# KiCad board VCU_CM5.kicad_pcb (continued)
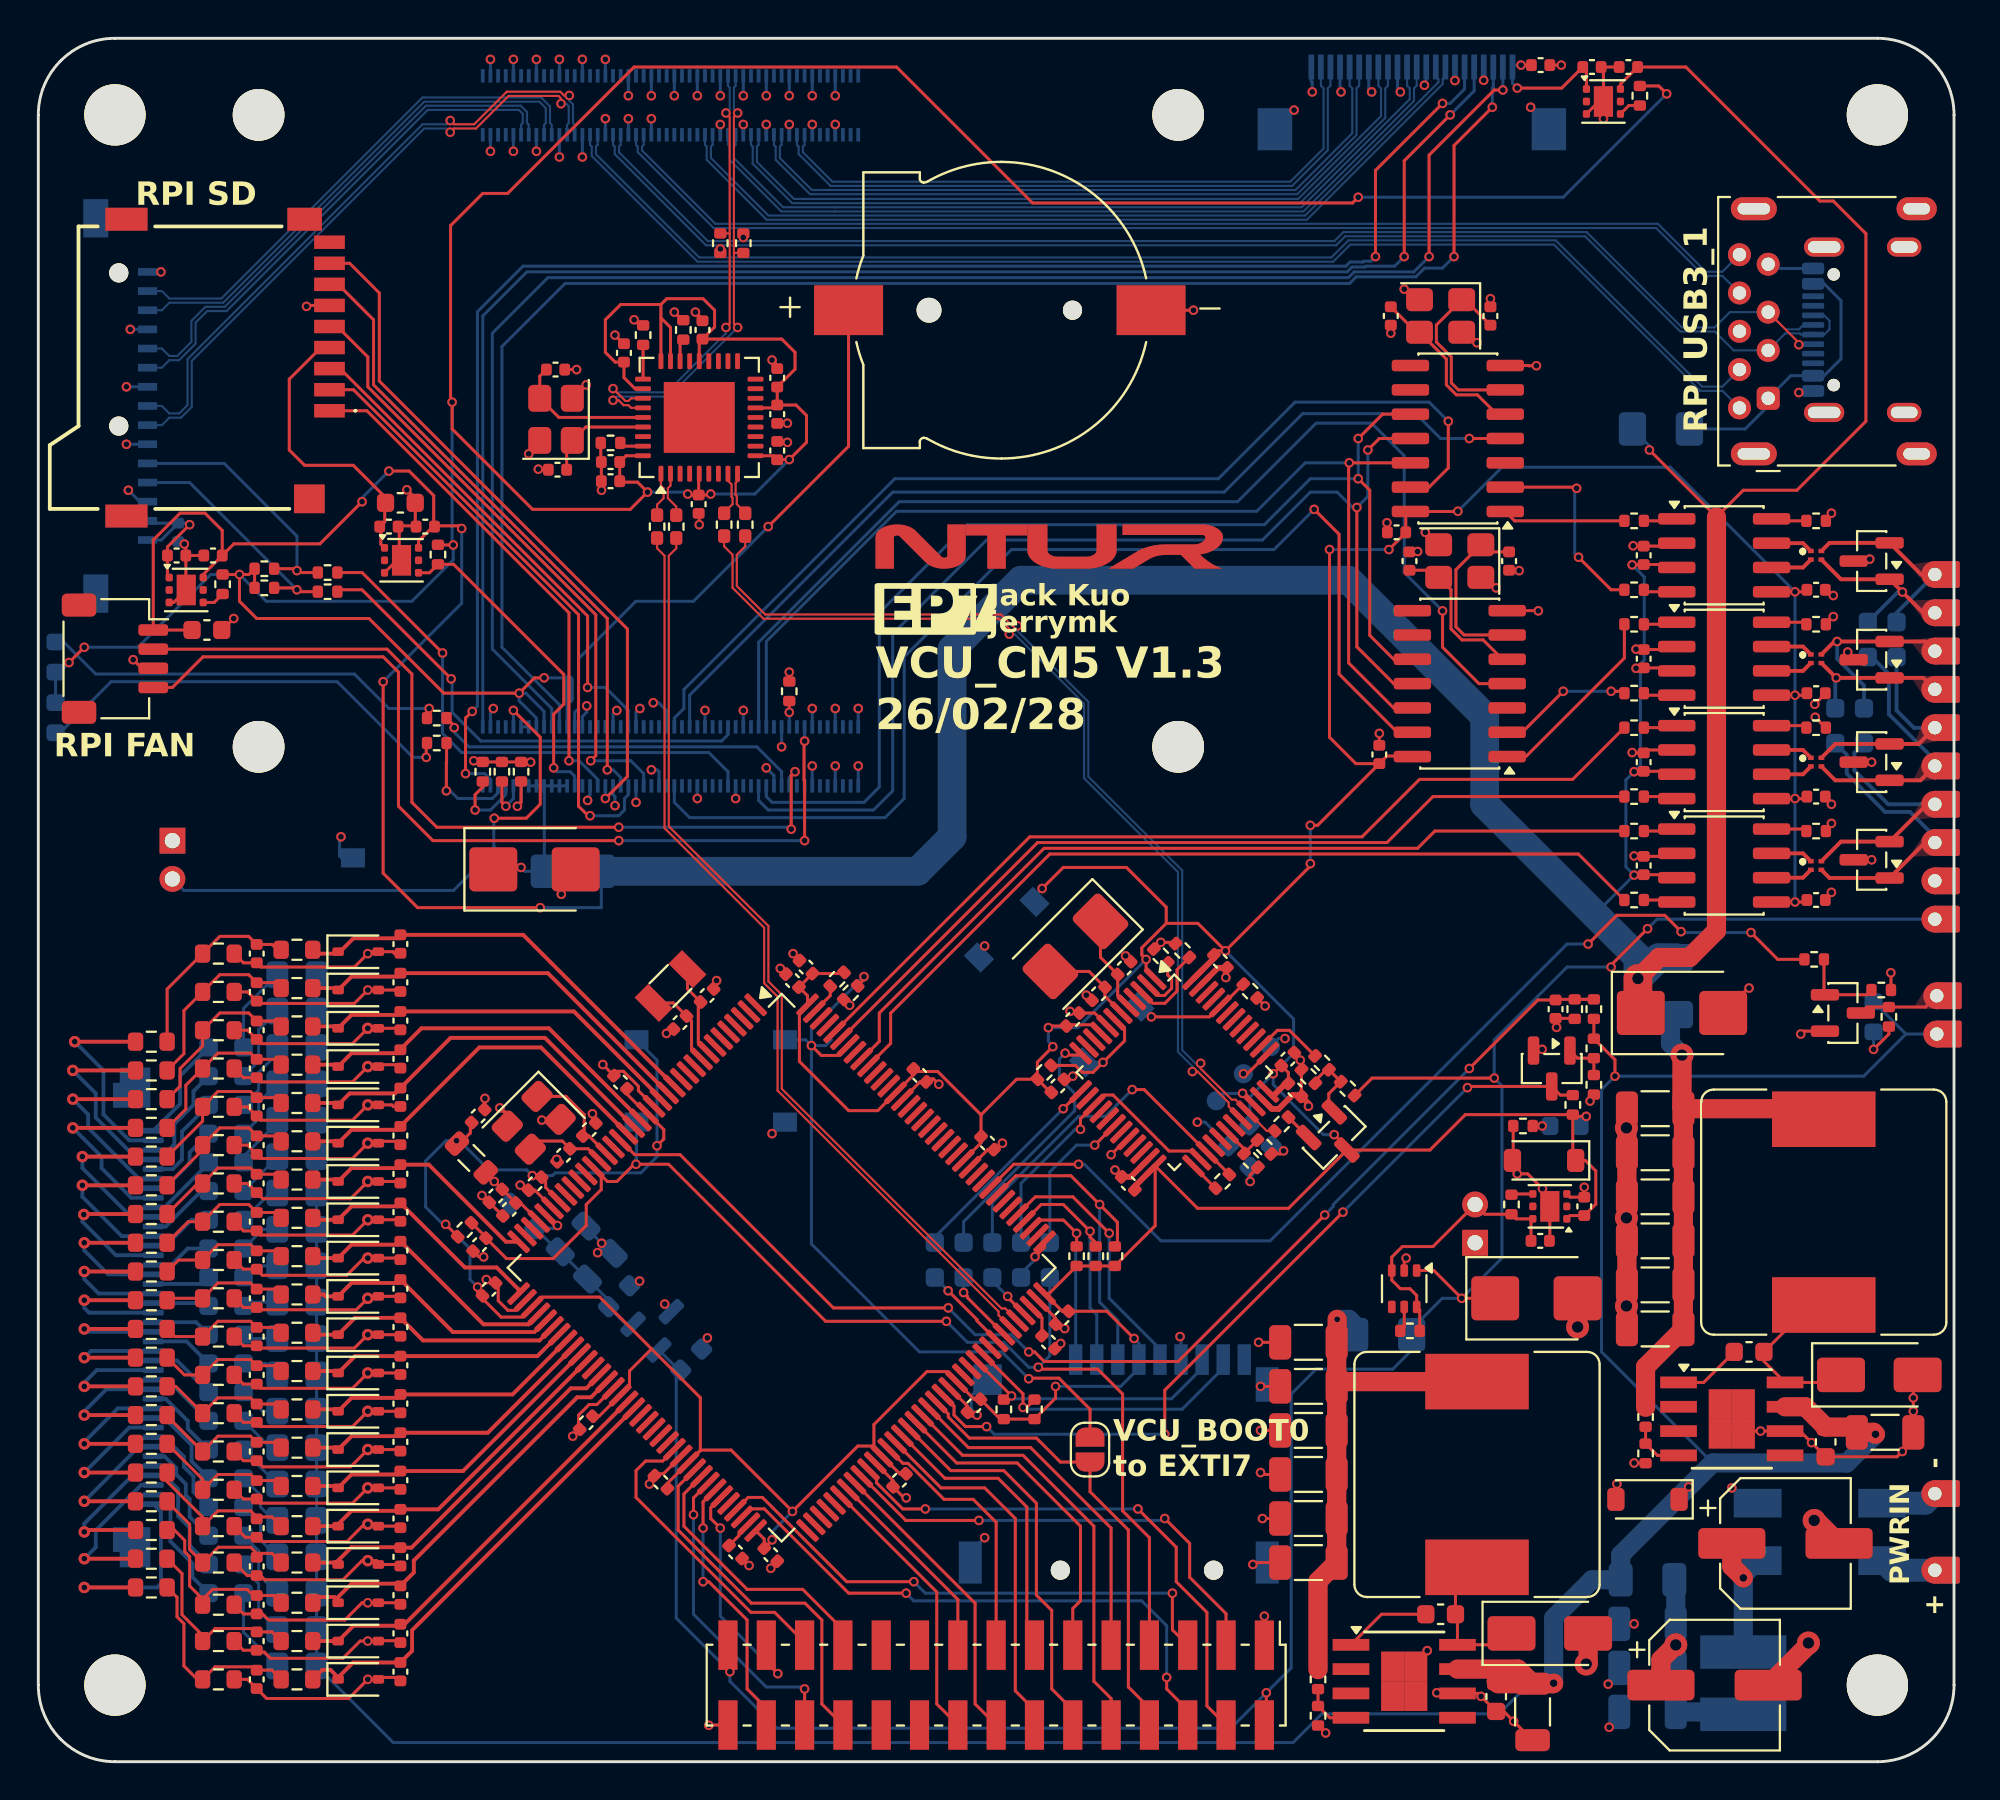
[diagram p0: board, top side]
## Routing (per net, layer and track width the routed paths; a pad name or vN(x,y) marks a point on that pad's centre or on a via; arc(x,y) is an arc through that point) (continued)
/stlink/VCP_MCU_UART.RX: length 3.8
  Top w0.157: v1(48.3,24.5) 48.5,24.3 48.5,24.23 U12.102
  Bottom w0.157: v1(48.3,24.5) R38.2
/stlink/VCP_MCU_UART.TX: length 4.7
  Top w0.157: v1(47.49,24.59) 49,23.09 49,23.02 U12.101
  Bottom w0.157: v1(47.49,24.59) R39.2
/STM32 CAN1/CAN.RX: length 46.1
  Top w0.157: U12.139 52.16,48 70.4,48 72.8,50.4 R161.1
/STM32 CAN1/CAN.TX: length 47.8
  Top w0.157: U12.140 51.75,48.3 69.1,48.3 72.1,51.3 80.09,51.3 R160.1
/STM32 CAN1/CAN_H: length 11.7
  Top w0.2: TP5.1 98.15,53.15 D38.2 93.8,53.15 FL5.4
  Bottom w0.2: TP5.1 98.99,53.99 97.91,53.99 97,54.9 R1.1
/STM32 CAN1/CAN_L: length 13.8
  Top w0.2: TP6.1 98.25,51.25 D38.1 93.8,51.25 FL5.3
  Bottom w0.2: TP6.1 99,52.3 96.6,54.7 96.6,56.8 95.71,57.69 R2.1
/STM32 CAN2/CAN.RX: length 46
  Top w0.157: U12.135 43.33,36.36 44.49,37.51 44.49,39.09 52.8,47.4 80.39,47.4 R16.1
/STM32 CAN2/CAN.TX: length 45.6
  Top w0.157: U12.136 43.9,37.62 43.9,39.1 52.5,47.7 72,47.7 72.9,48.6 R15.1
/STM32 CAN2/CAN_H: length 13.7
  Top w0.2: FL2.4 94.1,48.05 D6.2 98.59,50 TP7.1
  Bottom w0.2: TP7.1 96.57,50 94.8,51.77 94.8,52.69 R3.1
/STM32 CAN2/CAN_L: length 15.4
  Top w0.2: TP8.1 98.49,48 D6.1 93.5,46.15 FL2.3
  Bottom w0.2: R4.1 94.4,52.59 94.4,51.6 96.4,49.6 97.7,49.6 99.3,48 TP8.1
/USB3_1.D+: length 71.4
  Top w0.111: J1.3 91.9,74.1 v1(91.9,74)
  Bottom w0.111: J24.A6 92.14,75.03 91.91,74.8 91.2,74.8 J1.3 88.3,75.7 87.5,74.9 85.8,74.9 80.82,79.88 68.12,79.88 67.65,79.41 34.95,79.41 30.31,84.05 30.31,84.35 30.4,84.43 Module1.163 ; v1(91.9,74) 92.62,74 J24.B6
  vias: v1(36.8,79.6)
/USB3_1.D-: length 71
  Bottom w0.111: J24.B7 93.22,75.53 93.5,75.25 93.5,74.8 93.23,74.53 J24.A7 92,74.53 91.94,74.59 91.19,74.59 J1.2 88.5,73.7 87.51,74.69 85.71,74.69 83.45,76.95 80.74,79.66 68.22,79.66 67.75,79.19 34.85,79.19 30.09,83.95 30.09,84.35 30,84.43 Module1.165
  vias: v1(35.6,79)
/USB3_1.RX+: length 61.5
  Bottom w0.111: Module1.159 31.2,84.43 31.29,84.35 31.29,84.05 35.25,80.09 84.45,80.09 86.95,77.59 87.91,77.59 J1.6
/USB3_1.RX-: length 61.1
  Bottom w0.111: Module1.157 31.6,84.43 31.51,84.35 31.51,84.15 35.34,80.31 84.54,80.31 87.05,77.81 87.91,77.81 J1.5
/USB3_1.TX+: length 67.2
  Bottom w0.111: Module1.171 28.8,84.43 28.89,84.35 28.89,83.85 34.41,78.33 67.59,78.33 68.48,79.23 79.12,79.23 86.75,71.59 87.91,71.59 J1.9
/USB3_1.TX-: length 66.9
  Bottom w0.111: Module1.169 29.2,84.43 29.11,84.35 29.11,83.95 34.5,78.55 67.5,78.55 68.39,79.45 79.21,79.45 86.85,71.81 87.91,71.81 J1.8
/vcu mcu/BOOT0: length 40.3
  Top w0.157: R130.2 43.1,40.85 v1(43.1,41) ; v1(40.36,37.4) 40.87,36.88 41.75,36.88 U12.138 ; v1(51.7,20) 51.73,20.03 53.28,20.03 54.9,18.41 JP1.2
  Bottom w0.157: v1(40.36,37.4) 40.05,37.7 SW3.1 ; v1(40.36,37.4) 40.36,27.04 45.99,21.4 50.3,21.4 v1(51.7,20) ; v1(40.36,37.4) 41.1,37.4 41.4,37.7 ; v1(40.36,37.4) 40.36,38.26 v1(43.1,41)
/vcu mcu/buzzer/buzzer_outbox: length 4.3
  Top w0.157: Q3.3 95.45,39.41 R144.1 98.51,39.41 TP14.1
/vcu mcu/buzzer_gate: length 52.6
  Top w0.157: R142.2 90.8,41.9 v1(89.4,43.3) ; U12.117 50.92,31.2 v1(54.3,31.2) ; v1(80.9,42.7) 82.4,44.2 84.9,44.2 v1(85.75,43.35)
  Bottom w0.157: v1(54.3,31.2) 54.6,31.2 58.6,27.2 64.3,27.2 79.8,42.7 v1(80.9,42.7) ; v1(89.4,43.3) 85.8,43.3 v1(85.75,43.35)
/vcu mcu/CL_CH1: length 22.7
  Top w0.2: U12.13 25.31,43.18 C31.1 18.72,43 16.45,43 15.75,42.3 D12.1 15.55,42.2 14.43,42.2 14.32,42.3 R29.2
/vcu mcu/CL_CH2: length 21.5
  Top w0.2: U12.14 26.6,41.18 C57.1 18.72,41 16.35,41 D18.1 15.55,40.4 R102.2
/vcu mcu/CL_CH3: length 20.5
  Top w0.2: U12.15 32.5,34.64 27.96,39.18 C59.1 18.72,39 16.35,39 D19.1 15.55,38.4 R104.2
/vcu mcu/CL_CH4: length 20
  Top w0.2: R106.2 15.55,36.4 D20.1 16.35,37 18.72,37 C61.1 18.9,37.2 20,38.3 26.65,38.3 U12.18
/vcu mcu/CL_CH5: length 20.2
  Top w0.2: U12.19 26.45,37.8 21.52,37.8 C63.1 18.62,34.9 16.25,34.9 D21.1 15.55,34.4 R108.2
/vcu mcu/CL_CH6: length 20.4
  Top w0.2: U12.20 26.24,37.3 23.02,37.3 C65.1 18.72,33 16.35,33 D22.1 15.55,32.4 R110.2
/vcu mcu/CL_CH7: length 12.8
  Top w0.2: R112.2 15.55,30.4 D23.1 16.35,31 18.72,31 C67.1 20.38,31.18 24.41,27.15 U12.36
/vcu mcu/CL_CH8: length 13.2
  Top w0.2: R114.2 14.43,28.3 D24.1 16.35,29 18.72,29 C69.1 22.27,25.81 23.92,25.81 25.07,24.66 U12.37
/vcu mcu/CL_CH9: length 14.2
  Top w0.2: U12.40 25.59,22.84 23.24,22.84 C71.1 18.72,27 16.35,27 D25.1 14.43,26.3 R116.2
/vcu mcu/CL_CH10: length 14
  Top w0.2: U12.41 25.89,22.44 21.64,22.44 C73.1 18.72,25 16.35,25 D26.1 15,24.3 14.9,24.4 R118.2
/vcu mcu/CL_CH11: length 13.7
  Top w0.2: R120.2 14.43,22.3 D27.1 16.53,23.18 C75.1 20.08,22 26.16,22 U12.42
/vcu mcu/CL_CH12: length 13.8
  Top w0.2: U12.43 26.05,21.18 C77.1 16.53,21.18 D28.1 15.55,20.4 R122.2
/vcu mcu/CL_CH13: length 14.8
  Top w0.2: R124.2 15.55,18.4 D29.1 16.35,19 18.72,19 C79.1 24.76,19.18 U12.44
/vcu mcu/CL_CH14: length 15.8
  Top w0.2: U12.45 23.46,17.18 C81.1 18.72,17 16.35,17 D30.1 15.55,16.4 R126.2
/vcu mcu/CL_CH15: length 16.9
  Top w0.2: U12.46 22.17,15.18 C110.1 18.72,15 16.35,15 D31.1 15.55,14.4 R141.2
/vcu mcu/CL_CH16: length 17.9
  Top w0.2: R19.2 D7.1 15.65,12.4 16.35,13.1 18.72,13.1 18.8,13.18 C21.1 20.88,13.18 U12.47
/vcu mcu/CL_CH17: length 19.3
  Top w0.2: R21.2 15.55,10.4 D8.1 15.65,10.5 16.35,11.2 18.72,11.2 18.74,11.18 C23.1 19.48,11.18 27.8,19.5 28.61,19.5 U12.49
/vcu mcu/CL_CH18: length 21.1
  Top w0.2: R23.2 14.62,8.6 15.45,8.6 15.65,8.4 D9.1 15.65,8.6 16.35,9.3 18.72,9.3 18.74,9.28 18.8,9.28 C25.1 19.6,9.88 19.6,10.5 28.13,19.03 28.85,19.03 U12.50
/vcu mcu/CL_CH19: length 21.6
  Top w0.2: R25.2 D10.1 16.45,7.1 18.72,7.1 18.8,7.18 C27.1 19.12,7.18 U12.53
/vcu mcu/CL_CH20: length 23.7
  Top w0.2: U12.54 19.51,6.86 19.51,5.79 C29.1 16.43,5.18 15.65,4.4 ; 15.65,4.4 D11.1 ; 15.65,4.4 15.25,4.8 14.82,4.8 R27.2
/vcu mcu/current loop sensors/current loop 1/CL_LOOP: length 10.1
  Top w0.157: R81.2 6.72,40.35 R28.1 9.47,43.1 10.98,43.1 C30.1 12.19,42.68 12.47,42.4 R29.1
/vcu mcu/current loop sensors/current loop 2/CL_LOOP: length 9.6
  Top w0.157: R82.2 7.6,36.97 7.6,39.22 R101.1 9.47,41.1 10.98,41.1 C56.1 12.4,40.68 R102.1
/vcu mcu/current loop sensors/current loop 3/CL_LOOP: length 9.1
  Top w0.157: R104.1 12.4,38.68 C58.1 10.98,39.1 9.47,39.1 R103.1 8.57,37.38 7.4,36.2 7.4,35.28 R83.2
/vcu mcu/current loop sensors/current loop 4/CL_LOOP: length 8.5
  Top w0.157: R106.1 12.4,36.68 C60.1 11.08,37 9.38,37 R105.1 7.7,35.33 7.7,34.08 R84.2
/vcu mcu/current loop sensors/current loop 5/CL_LOOP: length 8
  Top w0.157: R85.2 8.57,33.45 R107.1 9.38,35 11.08,35 C62.1 12.4,34.68 R108.1
/vcu mcu/current loop sensors/current loop 6/CL_LOOP: length 7.6
  Top w0.157: R110.1 12.4,32.68 C64.1 10.98,33.1 9.47,33.1 R109.1 8.57,31.95 R86.2
/vcu mcu/current loop sensors/current loop 7/CL_LOOP: length 7.2
  Top w0.157: R87.2 8.32,30.2 R111.1 9.38,31 11.08,31 C66.1 12.4,30.68 R112.1
/vcu mcu/current loop sensors/current loop 8/CL_LOOP: length 7.1
  Top w0.157: R88.2 7.82,28.2 R113.1 9.47,29.1 10.98,29.1 C68.1 12.4,28.68 R114.1
/vcu mcu/current loop sensors/current loop 9/CL_LOOP: length 6.8
  Top w0.157: R116.1 12.4,26.68 C70.1 11.08,27 9.38,27 R115.1 7.32,26.2 R89.2
/vcu mcu/current loop sensors/current loop 10/CL_LOOP: length 6.6
  Top w0.157: R90.2 6.82,24.2 R117.1 9.38,25 11.08,25 C72.1 12.4,24.68 R118.1
/vcu mcu/current loop sensors/current loop 11/CL_LOOP: length 6.7
  Top w0.157: R91.2 7.12,22.2 R119.1 9.38,23 11.08,23 C74.1 12.4,22.68 R120.1
/vcu mcu/current loop sensors/current loop 12/CL_LOOP: length 6.9
  Top w0.157: R122.1 12.4,20.68 C76.1 11.08,21 9.38,21 R121.1 7.62,20.2 R92.2
/vcu mcu/current loop sensors/current loop 13/CL_LOOP: length 7.1
  Top w0.157: R93.2 7.18,19.6 R123.1 9.38,19 11.08,19 C78.1 12.4,18.68 R124.1
/vcu mcu/current loop sensors/current loop 14/CL_LOOP: length 7.3
  Top w0.157: R126.1 12.4,16.68 C80.1 11.08,17 9.38,17 R125.1 6.72,18.05 R94.2
/vcu mcu/current loop sensors/current loop 15/CL_LOOP: length 8
  Top w0.157: R95.2 8.57,14.75 8.57,14.28 8.5,14.2 R140.1 9.38,15 11.08,15 C109.1 12.4,14.68 R141.1
/vcu mcu/current loop sensors/current loop 16/CL_LOOP: length 8.5
  Top w0.157: R19.1 12.19,12.78 11.5,12.78 C20.1 11.4,12.78 11.08,13.1 9.38,13.1 R18.1 8.57,12.78 6.72,14.62 R96.2
/vcu mcu/current loop sensors/current loop 17/CL_LOOP: length 9.1
  Top w0.157: R21.1 12.19,10.88 11.5,10.88 11.4,10.78 C22.1 11.4,10.88 11.08,11.2 9.4,11.2 8.6,10.4 R20.1 7.9,11.07 7.9,12.4 6.72,13.57 R97.2
/vcu mcu/current loop sensors/current loop 18/CL_LOOP: length 9.8
  Top w0.157: R23.1 12.29,8.68 C24.1 11.22,8.68 10.9,9 9.1,9 8.6,8.5 8.6,8.22 R22.1 8.57,8.5 7.9,9.18 7.9,10.71 7.64,10.97 7.64,11.56 7.1,12.1 R98.2
/vcu mcu/current loop sensors/current loop 19/CL_LOOP: length 9.7
  Top w0.157: R99.2 7.5,9.82 7.5,7.68 8.57,6.6 R24.1 9.23,6.95 11.23,6.95 C26.1 12.19,6.78 R25.1
/vcu mcu/current loop sensors/current loop 20/CL_LOOP: length 10.4
  Top w0.157: R100.2 7.24,8.58 7.24,7.57 7.6,7.21 7.6,5 8.3,4.3 R26.1 9.23,4.95 11.23,4.95 C28.1 12.19,4.78 R27.1
/vcu mcu/EXTI2: length 15.4
  Top w0.157: U12.87 47.33,14.8 50.1,14.8 51.6,13.3 51.6,6.49 J9.13
/vcu mcu/EXTI3: length 20.6
  Top w0.157: U12.88 47.63,15.2 50.4,15.2 52.1,13.5 52.1,8.7 52.9,7.9 52.9,3.8 54,2.7 J9.12
/vcu mcu/EXTI4: length 17.2
  Top w0.157: U12.89 47.94,15.6 51.1,15.6 54.4,12.3 54.4,8.4 54,8 J9.11
/vcu mcu/EXTI5: length 22.1
  Top w0.157: U12.90 48.25,16 51.4,16 55.1,12.3 55.1,4.2 56,3.3 J9.10
/vcu mcu/EXTI6: length 18.2
  Top w0.157: U12.91 48.55,16.4 51.8,16.4 56,12.2 J9.9
/vcu mcu/EXTI7: length 24.4
  Top w0.157: J9.8 58,2.8 56.9,3.9 56.9,12.1 54.9,14.1 JP1.1 53.35,15.65 52.1,16.9 48.6,16.9 47.5,18 47.5,18.16 U12.92
/vcu mcu/EXTI8: length 43.1
  Top w0.157: U12.93 47.8,18.57 47.8,18.1 48.4,17.5 v1(49.5,17.5) ; v1(68.1,28.7) 58.8,19.4 v1(58.8,17.1) ; R7.2 79.45,34.81 Q1.3 74.66,35.26 v1(74.6,35.2)
  Bottom w0.157: v1(74.6,35.2) v1(68.1,28.7) ; v1(49.5,17.5) 49.9,17.1 v1(58.8,17.1)
/vcu mcu/EXTI9: length 14.4
  Top w0.157: U12.78 46.9,8.86 46.9,3.01 J9.18
/vcu mcu/EXTI10: length 10.5
  Top w0.157: J9.17 48,8.47 U12.79
/vcu mcu/EXTI11: length 15.7
  Top w0.157: U12.80 48.9,8.28 48.9,3.01 J9.16
/vcu mcu/EXTI12: length 24.8
  Top w0.157: v1(49.1,12.6) 45.28,12.6 U12.81 ; v1(58.8,12.7) 60.1,11.4 60.1,9.63 62,7.73 J9.3
  Bottom w0.157: v1(58.8,12.7) 58.7,12.6 v1(49.1,12.6)
/vcu mcu/EXTI13: length 28.3
  Top w0.157: J9.4 61,2.91 61,7.8 59.4,9.4 59.4,11.2 v1(57.4,13.2) ; U12.82 43.76,14.83 43.76,14.56 45.12,13.2 v1(46.3,13.2)
  Bottom w0.157: v1(46.3,13.2) v1(57.4,13.2)
/vcu mcu/EXTI14: length 13.6
  Top w0.157: U12.85 45.13,15.58 45.4,15.58 47.28,13.7 48.8,13.7 50,12.5 J9.15
/vcu mcu/EXTI15: length 19.1
  Top w0.157: J9.14 52,2.7 51,3.7 51,12.7 49.4,14.3 47.12,14.3 U12.86
/vcu mcu/I2C2_SCL: length 28.2
  Top w0.157: U12.69 37.05,13.8 37.8,13.8 42.2,9.4 v1(45.7,9.4) ; J9.5 59.2,6.88 v1(59.2,8.8)
  Bottom w0.157: v1(45.7,9.4) 46.3,8.8 v1(59.2,8.8)
/vcu mcu/I2C2_SDA: length 30.5
  Top w0.157: U12.70 37.16,13.2 37.9,13.2 42.3,8.8 v1(45.3,8.8) ; v1(58.9,4.4) 58.9,3.8 60,2.7 J9.6
  Bottom w0.157: v1(58.9,4.4) 58.9,7.1 57.6,8.4 45.7,8.4 v1(45.3,8.8)
/vcu mcu/OSC32_IN: length 4.9
  Top w0.157: Y5.1 33.89,40.36 C107.1 34.45,39.55 34.45,37.57 U12.8
/vcu mcu/OSC32_OUT: length 4.6
  Top w0.157: U12.9 34.1,37.22 34.1,38.68 C108.1 33.15,39.62 Y5.2
/vcu mcu/OSC_IN: length 5.6
  Top w0.157: Y4.1 27.54,34.74 28.5,33.79 28.5,32.75 C105.1 28.74,32.67 U12.23
/vcu mcu/OSC_OUT: length 4.2
  Top w0.157: U12.24 28.7,32.01 C106.1 27.35,32.41 26.11,32.41 Y4.3
/vcu mcu/SDMMC1_CK: length 13.7
  Top w0.157: v1(55.9,27.6) 54,29.5 52.05,29.5 U12.113
  Bottom w0.157: v1(55.9,27.6) 55.9,24.2 58.55,21.55 J10.5
/vcu mcu/SDMMC1_CMD: length 17.5
  Top w0.157: R139.1 56.33,27.04 56.33,28.17 v1(55.4,29.1) 53.9,30.6 51.02,30.6 U12.116
  Bottom w0.157: v1(55.4,29.1) 55.4,24 56.35,23.05 J10.3
/vcu mcu/SDMMC1_D0: length 14.2
  Top w0.157: U12.98 v1(50.8,19.1) 50.59,19.1 R135.1
  Bottom w0.157: v1(50.8,19.1) 50.95,18.95 59.15,18.95 60.75,20.55 J10.7
/vcu mcu/SDMMC1_D1: length 16.2
  Top w0.157: R136.1 51.59,18.5 v1(51.4,18.5) 51.4,19.21 U12.99
  Bottom w0.157: v1(51.4,18.5) 51.49,18.41 59.71,18.41 61.85,20.55 J10.8
/vcu mcu/SDMMC1_D2: length 10.1
  Top w0.157: R137.1 54.2,27.59 v1(54.2,27.6) 53.51,28.28 52.24,28.28 U12.111
  Bottom w0.157: v1(54.2,27.6) 54.2,27.59 54.2,26.88 54.15,26.83 J10.1
/vcu mcu/SDMMC1_D3: length 12.1
  Top w0.157: R138.1 55.2,27.1 54.9,27.4 v1(54.9,27.7) 53.5,29.1 52.35,29.1 U12.112
  Bottom w0.157: v1(54.9,27.7) 54.9,23.7 55.25,23.35 J10.2
/vcu mcu/SPI4_CS0: length 18.9
  Top w0.157: J9.24 40.9,3.01 40.9,7.4 40.02,8.28 37.22,8.28 33.4,12.1 33.4,14.39 U12.63
/vcu mcu/SPI4_CS1: length 14.3
  Top w0.157: J9.23 42,6.9 39.9,9 37,9 33.7,12.3 33.7,13.98 U12.64
/vcu mcu/SPI4_LEDPWM: length 15.9
  Top w0.157: J9.25 40,6.23 38.43,7.8 37.2,7.8 31.2,13.8 31.2,15.2 31.7,15.7 32.59,15.7 U12.60
/vcu mcu/SPI4_MISO: length 14.1
  Top w0.157: v1(34.7,9.4) 35,9.4 37,7.4 37,3.8 38,2.8 J9.28 ; v1(34.7,12.2) 34.7,13.57 U12.66
  Bottom w0.157: v1(34.7,9.4) v1(34.7,12.2)
/vcu mcu/SPI4_MOSI: length 12.7
  Top w0.157: U12.67 35.1,13.26 35.1,12.7 v1(35.6,12.2) ; J9.27 38,5.2 v1(38.6,4.6)
  Bottom w0.157: v1(35.6,12.2) 35.6,7.6 v1(38.6,4.6)
/vcu mcu/SPI4_SCK: length 16.5
  Top w0.157: v1(40,3.8) J9.26 ; v1(34.2,12.9) 34.2,13.78 U12.65
  Bottom w0.157: v1(34.2,12.9) 34.2,7.7 38,3.9 39.9,3.9 v1(40,3.8)
/vcu mcu/USBDN: length 48.9
  Top w0.111: U12.103 50.12,23.31 50.12,23.51 38.59,35.05 38.59,39.95 37.89,40.65 37.89,43.55 32.69,48.75 32.69,62.98 32.3,63.37 R131.1
/vcu mcu/USBDP: length 48.7
  Top w0.111: R132.1 33.3,63.37 32.91,62.98 32.91,48.85 38.11,43.65 38.11,40.75 38.81,40.05 38.81,35.14 50.28,23.67 50.48,23.67 U12.104
/vcu mcu/VCAP1: length 1.6
  Top w0.157: U12.71 36.57,11.91 36.57,11.81 C87.1
/vcu mcu/VCAP2: length 1.7
  Top w0.157: C90.1 52.39,23.17 U12.106
Net-(Module1A-GPIO_VREF(1.8v/3.3v_Input)): length 1.5
  Bottom w0.157: NT1.2 27.6,55.4 Module1.78
Net-(C1-Pad1): length 7.3
  Top w1: v3(89,9.6) 88.4,10.2 C1.1
  Bottom w1: v3(89,9.6) 89,9.75 ; 89,9.75 L1.1 ; 89,9.75 FL1.3
Net-(C2-Pad1): length 12.9
  Top w1: v2(85.48,6.1) 84.7,5.32 C5.1
  Bottom w1: F2.1 85.48,9.43 v2(85.48,6.1) C3.1 C4.1 88.88,2.6 L1.2
Net-(C12-Pad1): length 29.3
  Top w1: R13.1 83.9,20.62 C16.1 C17.1 ; L2.2 92.65,34.1 C17.1 ; v2(85.8,36.9) 85.8,34.17 C17.1
  Bottom w1: F3.1 85.2,38.71 85.2,37.5 v2(85.8,36.9)
Net-(C114-Pad1): length 27.7
  Top w1: L3.2 68.02,19.85 C115.1 ; R145.1 66.8,9.43 C119.1 C118.1 C117.1 C114.1 C115.1 ; C115.1 C116.1 67.8,21.93 v4(67.8,23.1)
  Bottom w1: F25.1 68.71,22.8 68.41,23.1 v4(67.8,23.1)
Net-(D2-K): length 0.9
  Top w0.157: v1(78.5,33.2) R12.2
  Bottom w0.157: D2.1 v1(78.5,33.2)
Net-(D4-K): length 9.3
  Top w0.157: D4.1 93.7,19.81 U3.8 90.07,20.91 C11.2 92.52,23.85 L2.1
Net-(D13-K): length 1.4
  Top w0.157: v1(65,31.9) 64.84,31.74 R35.1
  Bottom w0.157: D13.1 64.6,31.9 v1(65,31.9)
Net-(D14-A): length 1.6
  Top w0.157: v1(63.26,30.3) 63.26,30.64 R36.2
  Bottom w0.157: v1(63.26,30.3) D14.2
Net-(D15-K): length 22.9
  Top w0.157: v1(20.25,52.45) 20.25,52.96 20.29,53 R48.1
  Bottom w0.157: v1(20.25,52.45) 19.55,52.45 15.6,56.4 3.8,56.4 1.13,53.73 D15.1
Net-(D16-K): length 21.5
  Top w0.157: R49.1 20.4,54.61 v1(20.4,55)
  Bottom w0.157: v1(20.4,55) 18.3,55 16.5,56.8 3,56.8 1.32,58.47 D16.1
Net-(D32-K): length 2.4
  Top w0.157: v1(95.8,37.2) 96.6,38 R144.2
  Bottom w0.157: v1(95.8,37.2) D32.1
Net-(D33-K): length 7.6
  Top w0.157: D33.1 76.31,6.1 U13.8 74.08,7.59 73.98,7.7 73.98,9.03 L3.1
Net-(F5-Pad2): length 4.5
  Bottom w0.157: R61.2 10.71,39.34 F5.2
Net-(F6-Pad2): length 4.1
  Bottom w0.157: R62.2 11.5,36.59 11.5,38.22 F6.2
Net-(F7-Pad2): length 2.3
  Bottom w0.157: R67.2 12.11,29.7 F7.2
Net-(F8-Pad2): length 2.2
  Bottom w0.157: F8.2 11.71,27.8 R68.2
Net-(F9-Pad2): length 2
  Bottom w0.157: R69.2 11.31,25.9 F9.2
Net-(F10-Pad2): length 1.8
  Bottom w0.157: R70.2 10.91,24 F10.2
Net-(F11-Pad2): length 1.8
  Bottom w0.157: R71.2 10.91,22.1 F11.2
Net-(F12-Pad2): length 2
  Bottom w0.157: R72.2 11.88,20.8 F12.2
Net-(F13-Pad2): length 2.2
  Bottom w0.157: R73.2 11.71,18.3 F13.2
Net-(F14-Pad2): length 2.3
  Bottom w0.157: F14.2 12.11,16.4 R74.2
Net-(F15-Pad2): length 2.5
  Bottom w0.157: F15.2 10.71,16.26 R75.2
Net-(F16-Pad2): length 3
  Bottom w0.157: F16.2 12.3,12.6 11.6,13.3 11.6,13.91 R76.2
Net-(F17-Pad2): length 3.3
  Bottom w0.157: F17.2 11.6,11.57 11.6,12.41 R77.2
Net-(F18-Pad2): length 3.7
  Bottom w0.157: F18.2 11.5,9.78 11.5,11.01 R78.2
Net-(F19-Pad2): length 4.1
  Bottom w0.157: F19.2 11.5,7.88 11.5,9.3 10.71,10.09 R79.2
Net-(F20-Pad2): length 4.5
  Bottom w0.157: R80.2 10.71,6.76 F20.2
Net-(F21-Pad2): length 3.7
  Bottom w0.157: R63.2 11.5,35.09 11.5,36 12.47,36.97 F21.2
Net-(F22-Pad2): length 3.3
  Bottom w0.157: R64.2 11.5,33.59 11.5,34.42 F22.2
Net-(F23-Pad2): length 2.9
  Bottom w0.157: F23.2 12.47,33.38 10.71,31.61 R65.2
Net-(F24-Pad2): length 2.5
  Bottom w0.157: R66.2 12.47,31.56 F24.2
Net-(FL1-Pad1): length 3
  Bottom w1.2: TP9.1 98.5,13.5 FL1.1
Net-(FL1-Pad2): length 3
  Bottom w1.2: FL1.2 96.75,10 TP11.1
Net-(J1-VBUS): length 14.5
  Bottom w0.157: J24.A4 93.22,77.18 94.1,76.3 94.1,73.26 93.22,72.38 J24.A9 91.48,72.38 J1.1 90.3,70.8 89.1,69.6 F1.2
Net-(J7-VDD): length 15.4
  Top w0.157: J7.4 14.75,73.85 13.1,72.2 13.1,68.5 13.9,67.7 16.44,67.7 18.09,66.06 18.09,65.8 18.12,65.76 C49.1 18.12,65.72 18.09,65.68 18.09,64.75 17.84,64.5 C46.1 17.88,64.44 17.88,63.58 U6.1
Net-(J8-Pin_1): length 11.1
  Top w0.2: R100.1 v4(2.4,9.1)
  Bottom w0.2: J8.1 6.4,13.05 6.4,9.3 6.2,9.1 v4(2.4,9.1)
Net-(J8-Pin_2): length 6.8
  Bottom w0.2: R80.1 8.04,9.64 8.04,10.36 6.9,11.5 6.9,13.8 6.75,13.95 J8.2
Net-(J8-Pin_3): length 8.4
  Top w0.2: R99.1 v4(2.4,10.6)
  Bottom w0.2: v4(2.4,10.6) 3,11.2 3,12.08 5.37,14.45 J8.3
Net-(J8-Pin_4): length 6.2
  Bottom w0.2: R79.1 7.9,11.29 7.9,12.22 7.3,12.82 7.3,14.24 6.58,14.95 J8.4
Net-(J8-Pin_5): length 8
  Top w0.2: R98.1 2.5,12.1 v4(2.4,12)
  Bottom w0.2: J8.5 5.42,15.45 2.4,12.43 v4(2.4,12)
Net-(J8-Pin_6): length 5.7
  Bottom w0.2: J8.6 6.58,15.95 7.2,15.33 7.2,15 7.7,14.5 7.7,13.92 7.9,13.72 7.9,12.79 R78.1
Net-(J8-Pin_7): length 7.5
  Top w0.2: R97.1 v4(2.4,13.6)
  Bottom w0.2: v4(2.4,13.6) 5.25,16.45 J8.7
Net-(J8-Pin_8): length 5.2
  Bottom w0.2: J8.8 6.58,16.95 7.6,15.93 7.6,15.4 8.1,14.9 8.1,14.09 R77.1
Net-(J8-Pin_9): length 7.2
  Top w0.2: R96.1 v4(2.4,15.1)
  Bottom w0.2: v4(2.4,15.1) 4.75,17.45 J8.9
Net-(J8-Pin_10): length 4.7
  Bottom w0.2: J8.10 6.58,17.95 8,16.53 8,15.69 R76.1
Net-(J8-Pin_11): length 7.1
  Top w0.2: R95.1 v4(2.4,16.6)
  Bottom w0.2: J8.11 4.15,18.45 2.4,16.7 v4(2.4,16.6)
Net-(J8-Pin_12): length 4.2
  Bottom w0.2: J8.12 6.65,18.95 7.8,17.8 7.8,17.39 R75.1
Net-(J8-Pin_13): length 7
  Top w0.2: R94.1 v4(2.4,18.1)
  Bottom w0.2: v4(2.4,18.1) 2.4,18.3 3.55,19.45 J8.13
Net-(J8-Pin_14): length 3.8
  Bottom w0.2: J8.14 6.74,19.95 R74.1
Net-(J8-Pin_15): length 6.7
  Top w0.2: R93.1 v4(2.4,19.6)
  Bottom w0.2: v4(2.4,19.6) 2.4,19.8 3.05,20.45 J8.15
Net-(J8-Pin_16): length 3.6
  Bottom w0.2: J8.16 7.24,20.95 R73.1
Net-(J8-Pin_17): length 6.4
  Top w0.2: v4(2.4,21.1) R92.1
  Bottom w0.2: J8.17 2.75,21.45 v4(2.4,21.1)
Net-(J8-Pin_18): length 3.4
  Bottom w0.2: R72.1 7.74,21.95 J8.18
Net-(J8-Pin_19): length 6.3
  Top w0.2: R91.1 v4(2.4,22.6)
  Bottom w0.2: J8.19 2.55,22.45 v4(2.4,22.6)
Net-(J8-Pin_20): length 3.2
  Bottom w0.2: J8.20 8.24,22.95 R71.1
Net-(J8-Pin_21): length 6.8
  Top w0.2: R90.1 v4(2.4,24.1)
  Bottom w0.2: v4(2.4,24.1) 2.4,23.7 2.65,23.45 J8.21
Net-(J8-Pin_22): length 2.9
  Bottom w0.2: R70.1 8.74,23.95 J8.22
Net-(J8-Pin_23): length 7
  Top w0.2: R89.1 v4(2.4,25.6)
  Bottom w0.2: v4(2.4,25.6) 2.4,25.2 3.15,24.45 J8.23
Net-(J8-Pin_24): length 3
  Bottom w0.2: J8.24 8.54,24.95 R69.1
Net-(J8-Pin_25): length 7.2
  Top w0.2: R88.1 v4(2.4,27.1)
  Bottom w0.2: v4(2.4,27.1) 2.4,26.7 3.65,25.45 J8.25
Net-(J8-Pin_26): length 3.2
  Bottom w0.2: J8.26 6.95,25.95 7.8,26.8 R68.1
Net-(J8-Pin_27): length 7.5
  Top w0.2: R87.1 2.4,28.6 v4(2.38,28.58)
  Bottom w0.2: J8.27 4.05,26.45 2.3,28.2 2.3,28.5 v4(2.38,28.58)
Net-(J8-Pin_28): length 3.4
  Bottom w0.2: J8.28 6.65,26.95 8,28.3 R67.1
Net-(J8-Pin_29): length 7.9
  Top w0.2: v4(2.3,30.1) R86.1
  Bottom w0.2: v4(2.3,30.1) 2.3,29.5 4.35,27.45 J8.29
Net-(J8-Pin_30): length 3.7
  Bottom w0.2: R66.1 8.5,29.8 6.65,27.95 J8.30
Net-(J8-Pin_31): length 8.1
  Top w0.2: v4(2.3,31.6) R85.1
  Bottom w0.2: J8.31 4.85,28.45 2.3,31 v4(2.3,31.6)
Net-(J8-Pin_32): length 3.9
  Bottom w0.2: R65.1 8.89,31.25 6.58,28.95 J8.32
Net-(J8-Pin_33): length 9.3
  Top w0.2: v4(1.8,33.1) R84.1
  Bottom w0.2: J8.33 4.85,29.45 3.3,31 3.3,31.6 v4(1.8,33.1)
Net-(J8-Pin_34): length 4.4
  Bottom w0.2: J8.34 6.58,29.95 7.9,31.27 7.9,31.81 R64.1
Net-(J8-Pin_35): length 9.6
  Top w0.2: v4(1.8,34.6) R83.1
  Bottom w0.2: J8.35 5.25,30.45 2.6,33.1 2.6,33.8 v4(1.8,34.6)
Net-(J8-Pin_36): length 5.1
  Bottom w0.2: J8.36 7.02,30.95 7.5,31.43 7.5,32.91 R63.1
Net-(J8-Pin_37): length 10.1
  Top w0.2: v4(1.8,36.1) R82.1
  Bottom w0.2: J8.37 5.18,31.45 3,33.63 3,34.9 v4(1.8,36.1)
Net-(J8-Pin_38): length 5.5
  Bottom w0.2: R62.1 8.1,35.01 8.1,34.3 7.1,33.3 7.1,32.23 6.82,31.95 J8.38
Net-(J8-Pin_39): length 10.8
  Top w0.2: v4(1.9,37.6) R81.1
  Bottom w0.2: J8.39 4.75,32.45 3.4,33.8 3.4,36.1 v4(1.9,37.6)
Net-(J8-Pin_40): length 5.5
  Bottom w0.2: R61.1 7.4,35.81 7.4,34.35 J8.40
Net-(Module1A-BT_nDisable): length 2.6
  Top w0.157: v1(24.4,49.9) 24.2,50.1 R59.1
  Bottom w0.157: v1(24.4,49.9) 24.8,50.29 Module1.91
Net-(Module1A-EEPROM_nWP): length 1.3
  Top w0.157: R57.2 v1(39.2,54.8)
  Bottom w0.157: v1(39.2,54.8) Module1.20
Net-(Module1A-nRPIBOOT): length 4
  Top w0.157: v1(22.8,49.7) 22.8,50.5 23.2,50.9 R60.1
  Bottom w0.157: v1(22.8,49.7) 23.6,49.7 24.4,50.5 Module1.93
Net-(Module1A-WiFi_nDisable): length 2.5
  Top w0.157: v1(25.01,49.9) 25.01,49.91 25.2,50.1 R58.1
  Bottom w0.157: v1(25.01,49.9) 25.01,49.91 25.2,50.1 Module1.89
Net-(Q1-G): length 2.3
  Top w0.157: Q1.1 80.35,36.74 R5.2 R6.1
Net-(Q2-B): length 3.9
  Top w0.157: R44.1 66.66,35.57 67.23,36.13 R37.2 R43.2 67.36,34.88 67.36,34.37 67.65,34.08 Q2.1
Net-(Q2-E): length 1.6
  Top w0.157: Q2.2 65.23,33.67 65.18,33.67
Net-(Q3-G): length 4.4
  Top w0.157: R142.1 93.21,40.1 Q3.1 95.44,40.05 R143.2
Net-(U1-ST): length 1.3
  Top w0.157: R8.2 71.3,22.71 U1.5
Net-(U2-EN): length 1.1
  Top w0.157: R11.2 76.94,29.65 U2.4
Net-(U3-BOOT): length 3.6
  Top w0.157: 88.52,21.4 86.93,19.81 U3.1
Net-(U3-VSENSE): length 2.9
  Top w0.157: R13.2 R14.1 84.51,16 U3.4
Net-(U4-CANH): length 2.2
  Top w0.2: FL2.1 92.12,47.44 U4.7
Net-(U4-CANL): length 2.2
  Top w0.2: FL2.2 92.12,46.17 U4.6
Net-(U4-RXD): length 1.8
  Top w0.157: U4.4 85.42,45 R16.2
Net-(U4-STB): length 1.9
  Top w0.157: U4.8 92.19,48.7 R17.1
Net-(U4-TXD): length 1.8
  Top w0.157: R15.2 85.42,48.6 U4.1
Net-(U5-NRST): length 7
  Top w0.157: R34.2 54.14,36.36 54.5,36 55.06,36 v1(55.58,36.52) 56.7,37.64 56.7,38.25 U5.7
  Bottom w0.157: v1(55.58,36.52) 54.58,36.52 SW4.2
Net-(U5-PB12): length 1.6
  Top w0.157: R33.2 60.3,31.1 U5.25
Net-(U5-PC13): length 3
  Top w0.157: U5.2 58.47,40.01 58.79,40.01 59.16,40.38 59.16,40.88 58.95,41.08 R30.1
Net-(U5-PC14): length 4.4
  Top w0.157: R31.1 59.44,41.36 59.44,40.24 58.81,39.61 58.17,39.61 U5.3
Net-(U7-EN): length 1.2
  Top w0.157: R55.2 83.03,86.49 U7.4
Net-(U8-EN): length 1.2
  Top w0.157: U8.4 9.18,60.54 R56.2
Net-(U9-OSC1): length 10.2
  Top w0.157: C52.1 74.47,76.35 Y2.1 72.98,75.03 72.98,74.13 73.76,73.36 73.76,72.01 74.12,71.64 U9.6
Net-(U9-OSC2): length 9.1
  Top w0.157: C50.1 71.93,74.65 Y2.3 73.5,73.25 73.5,71.9 74.02,71.38 75.12,71.38 76.13,70.37 U9.5
Net-(U10-OSC1): length 9.3
  Top w0.157: C53.1 75.67,63.18 Y3.1 74,62.25 74,59.26 74.42,58.84 U10.6
Net-(U10-OSC2): length 8.2
  Top w0.157: C51.1 72.73,62.22 Y3.3 73.74,61.21 73.74,59.16 74.32,58.58 75.42,58.58 76.43,57.57 U10.5
Net-(U11-OUT): length 9.9
  Top w0.157: U12.32 27.02,28.03 27.07,28.03 v1(27.1,28)
  Bottom w0.157: 27.54,26.33 C85.1 ; C85.1 27.17,26.63 ; C85.1 C84.1 29.77,24.11 C83.1 30.68,22.84 U11.2 ; C85.1 27.17,26.63 ; 27.17,26.63 R128.2 26.87,27.85 27.02,28 v1(27.1,28)
Net-(U12-PDR_ON): length 1.7
  Top w0.157: R129.2 41.34,40.01 U12.143
Net-(U13-BOOT): length 4.6
  Top w0.157: U13.1 70.12,7.7 C113.1
Net-(U13-VSENSE): length 2.9
  Top w0.157: U13.4 67.42,2.29 R146.1 R145.2
Net-(U14-CANH): length 2.2
  Top w0.2: FL3.1 92.12,58.23 U14.7
Net-(U14-CANL): length 2.2
  Top w0.2: U14.6 92.12,56.97 FL3.2
Net-(U14-RXD): length 1.8
  Top w0.157: R148.2 83.92,55.69 U14.4
Net-(U14-STB): length 1.9
  Top w0.157: U14.8 92.19,59.5 R149.1
Net-(U14-TXD): length 1.8
  Top w0.157: U14.1 85.42,59.4 R147.2
Net-(U15-HS_IND/CFG_SEL1): length 1.2
  Top w0.157: R152.2 33.5,74.09 U15.25
Net-(U15-RBIAS): length 1.3
  Top w0.157: R151.2 30.55,68.7 U15.35
Net-(U15-SUSP_IND/LOCAL_PWR/NON_REM0): length 1.8
  Top w0.157: R150.2 31.57,72.21 U15.28
Net-(U15-XTALIN/CLKIN): length 5.6
  Top w0.157: C122.1 27.58,68.7 Y6.1 28.57,69.7 U15.33
Net-(U15-XTALOUT): length 7.4
  Top w0.157: C123.1 26.18,72.36 Y6.3 27.18,70.2 U15.32
Net-(U17-CANH): length 2.2
  Top w0.2: FL4.1 92.12,63.64 U17.7
Net-(U17-CANL): length 2.2
  Top w0.2: U17.6 92.12,62.36 FL4.2
Net-(U17-RXD): length 1.8
  Top w0.157: R156.2 83.92,61.09 U17.4
Net-(U17-STB): length 1.9
  Top w0.157: U17.8 90.58,64.8 R158.1
Net-(U17-TXD): length 1.8
  Top w0.157: U17.1 85.42,64.8 R155.2
Net-(U19-CANH): length 2.2
  Top w0.2: FL5.1 92.12,52.83 U19.7
Net-(U19-CANL): length 2.2
  Top w0.2: U19.6 92.12,51.56 FL5.2
Net-(U19-RXD): length 1.8
  Top w0.157: R161.2 85.42,50.4 U19.4
Net-(U19-STB): length 1.9
  Top w0.157: U19.8 92.19,54.11 R162.1
Net-(U19-TXD): length 1.8
  Top w0.157: U19.1 85.42,54 R160.2

## Copper pours and planes (outline as drawn; the poured copper is in the pictures)
GND on In1.Cu, In2.Cu: 0,90 0,0 100,0 100,90
/computer/compute module/RPI_5V_in on Bottom: 25.5,51.3 25.5,46.9 26.5,46.9 28,48.4 28,51.3

Small or netless copper shapes (teardrops, artwork), in the pictures only: 18 on Top, 18 on Bottom

## Text on the board
B.Silkscreen: TX | RX | DIO | CLK | RST | PWRIN | + | - | RPI / PWRSW | VCU / BOOT0 | VCU / RESET | UPS / CAP | +3V3 | RPI USB / FUSE | RPI_5V / FUSE | RPI / CAN0 | RPI / CAN1 | STM / CAN1 | STM / CAN2 | GND | +5V | BUZZER | CAN | CM5 / FUSE | + / - | FUSE | RPI / LED | VCU_5V / FUSE | H | L | 4-20 mA | SENSE | DSI | STM32 uSD | CSI | STLINK | S_DIO / S_CLK / GND | 3V3 | VCU VREF | S_RST | S_BOOT0 | - +
User.Drawings: 100x90mm (screws: M3 92x82mm) / Stackup: 6 layer 1.2mm 3313 / Via: min 0.3mm drill/Epoxy filled and capped / Connector: P2.0 pin header, centered, 4mm from bottom
F.Fab: 24V_IN
F.Silkscreen: EP7 | VCU_BOOT0 / to EXTI7 | Jack Kuo | jerrymk | PWRIN | - | + | RPI FAN | RPI SD | RPI USB3_1 | VCU_CM5 V1.3 / 26/02/28
